# Altium PCB 400150.PcbDoc (part 4 of 4) (continued)
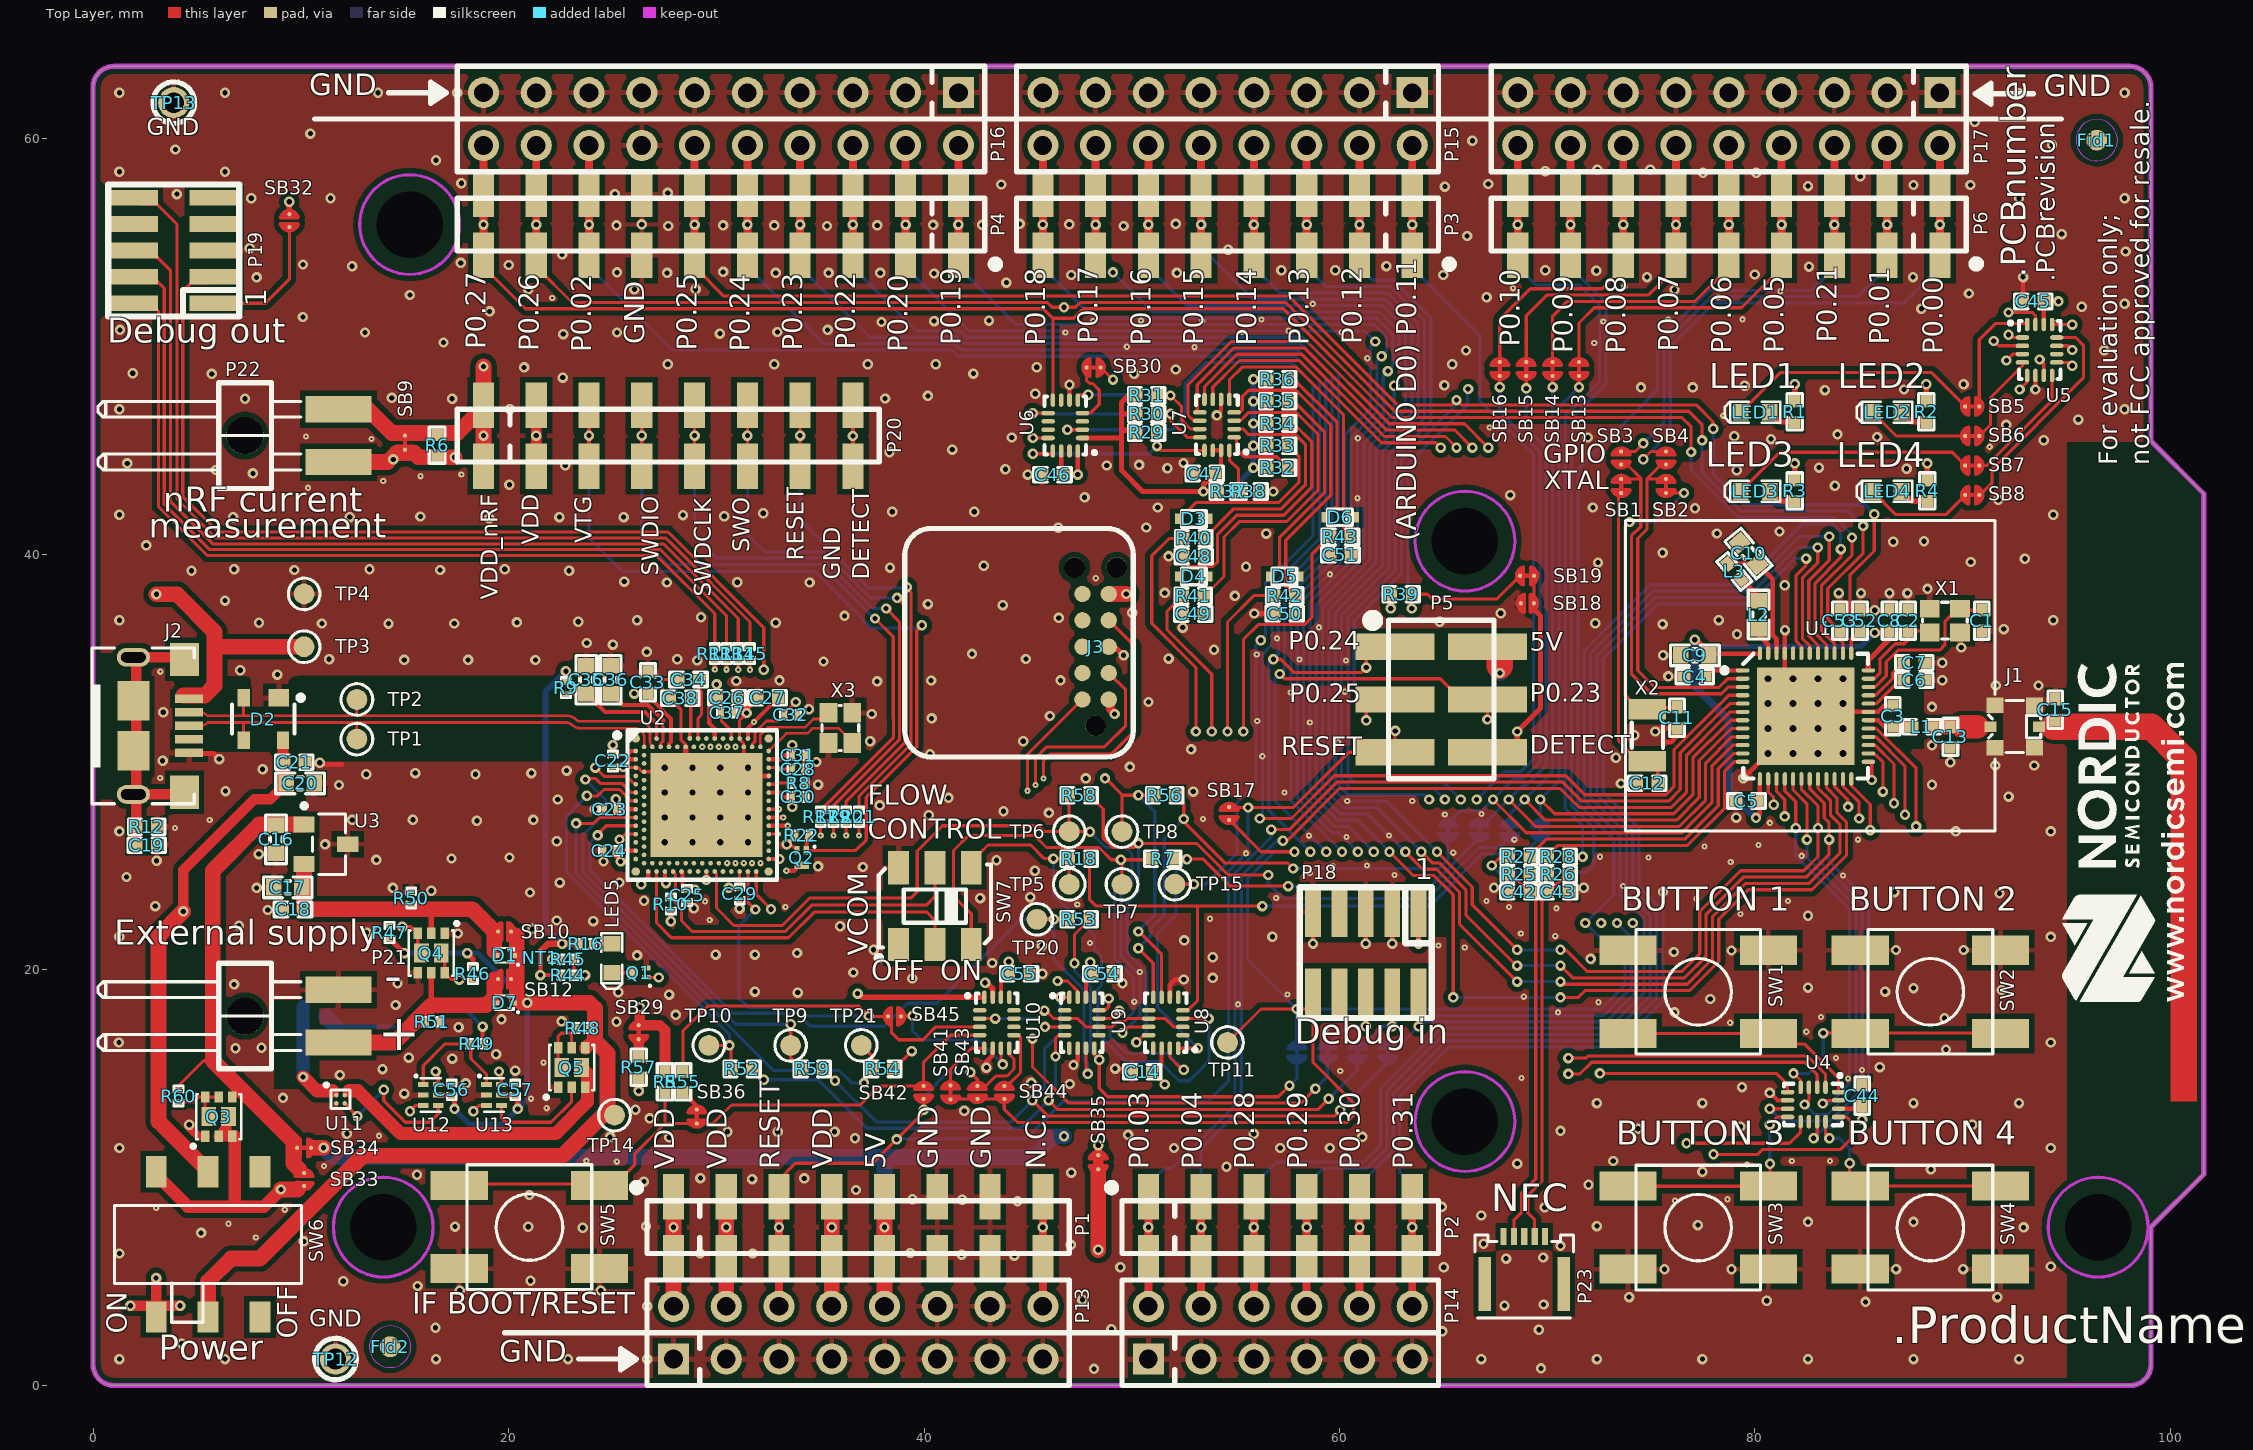
[diagram p0: Top Layer view]
## Nets (pads, with @x,y where several pads share a name; then routed paths per layer and width w, separated by ;. In a path a pad name is that pad's centre, name@x,y a point inside that pad or via, vN(x,y) a via of type N, cw(c..) or ccw(c..) an arc to the next point about the centre after c; other vN are vias at no path point) (continued)
  Top Layer w0.254: U1.36@85.457,34.439 85.457,34.899 86.473,35.915 C8.1@86.473,36.207 ; v1(85.762,36.225) 85.779,36.207 C8.1@86.473,36.207 ; C8.1@86.473,36.309 C8.1@86.473,36.207
  Top Layer w0.381: C9.1@77.78,35.126 C9.1@77.78,35.296
  Top Layer w0.762: P22.1@11.811,46.98 13.233,46.98 14.376,45.837 17.547,45.837 18.796,47.086 v1(18.796,45.71) P20.1@18.796,44.245 ; P20.1@18.796,47.175 v1(18.796,49.037)
  Mid-Layer 2 w1.27: v1@18.821,49.063 24.47,54.712 52.857,54.712 63.627,43.942 73.406,43.942 77.105,40.243 v1(77.105,35.888)
  Bottom Layer w0.254: v1(77.105,35.888) 77.429,35.564 85.101,35.564 v1(85.762,36.225)
  Bottom Layer w0.381: v1(77.105,35.888) 77.105,33.65 78.728,32.027 78.728,28.629 v1(80.047,27.309)
  Bottom Layer w0.762: P24.1@18.796,44.245 v1(18.796,45.71) P24.1@18.796,47.175
VEXT: C47.2 R29.2 R30.2 R31.2 R32.2 R33.2 R34.2 R35.2 R36.2 R37.2 U6.1 U7.14 U7.15 | length 25.8
  Top Layer w0.203: U7.14@53.9,45.003 U7.15@54.3,45.003 54.3,44.168 C47.2@54.018,43.885
  Top Layer w0.254: U6.1@47.628,45.597 49.503,45.597 ; R29.2@50.214,45.867 50.113,45.968 49.581,45.968 49.503,46.046 ; R30.2@50.214,46.756 49.503,46.756 ; R31.2@50.214,47.645 49.839,47.645 49.503,47.308 49.503,46.756 ; C47.2@54,43.903 53.449,43.352 v1(53.449,43.022) ; R37.2@54.143,43.022 v1(53.449,43.022) ; v1(55.853,44.161) R32.2@56.521,44.161 ; v1(55.853,45.228) R33.2@56.521,45.228 ; v1(55.853,46.295) R34.2@56.521,46.295 ; v1(55.853,47.361) R35.2@56.521,47.361 ; v1(55.853,48.428) R36.2@56.521,48.428 ; 49.503,45.597 49.503,46.046 ; 49.503,45.597 49.503,44.044 50.525,43.022 v1(53.449,43.022) ; 49.503,46.046 49.503,46.756
  Bottom Layer w0.254: v1(53.449,43.022) 54.714,43.022 v1(55.853,44.161) v1(55.853,45.228) v1(55.853,46.295) v1(55.853,47.361) v1(55.853,48.428)
VEXT_DETECT: Q4.3 R47.2 U12.6 U13.6 | length 16.6
  Top Layer w0.152: R47.2@14.275,22.078 v1(14.884,22.078) 15.306,22.078 Q4.3@15.631,21.753 ; Q4.3@15.631,21.748 15.631,20.978 Q4.3@15.806,20.803 ; v1(16.492,15.105) 16.619,14.978 U12.6@16.619,14.47 ; v1(19.54,15.105) 19.667,14.978 U13.6@19.667,14.47
  Mid-Layer 2 w0.152: v1(14.884,22.078) 16.77,20.193 17.907,20.193 18.089,20.011 18.089,18.538 16.492,16.941 v1(16.492,15.105) v1(19.54,15.105)
VIN: P1.8 P7.8 P13.16 | length 8.2
  Top Layer w0.381: P13.16@45.72,3.8 P1.8@45.72,6.145 v1(45.72,7.61) P1.8@45.72,9.075
  Bottom Layer w0.381: P7.8@45.72,6.145 v1(45.72,7.61) P7.8@45.72,9.075
VIO: P1.1 P1.2 P1.4 P7.1 P7.2 P7.4 P13.2 P13.4 P13.8 SB35.1 | length 54
  Top Layer w0.381: v1(35.56,7.61) P1.4@35.56,9.075
  Top Layer w0.762: P13.2@27.94,3.8 P1.1@27.94,6.145 P1.1@27.94,9.075 ; P13.4@30.48,3.8 v1(30.48,7.61) P1.2@30.48,9.075 ; P13.8@35.56,3.8 P1.4@35.56,9.075 ; v1(48.387,6.518) 48.387,10.226
  Mid-Layer 2 w0.762: v1(27.94,7.61) v1(30.48,7.61) 31.801,7.61 34.138,5.273 35.535,5.273 47.142,5.273 v1(48.387,6.518) ; 35.56,5.298 v1(35.56,7.61)
  Bottom Layer w0.762: P7.1@27.94,6.145 P7.1@27.94,9.075 ; P7.2@30.48,6.145 P7.2@30.48,9.075 ; P7.4@35.56,6.145 P7.4@35.56,9.075
VREG_DETECT: Q4.6 R46.2 U12.3 U13.3 | length 14.1
  Top Layer w0.152: v1(15.258,13.191) 15.538,13.47 U12.3@15.893,13.47 ; Q4.6@16.756,20.803 16.931,20.628 Q4.6@16.931,19.858 ; Q4.6@16.931,19.853 17.257,19.527 v1(17.628,19.527) R46.2@18.288,19.527 ; v1(18.306,13.191) 18.586,13.47 U13.3@18.941,13.47
  Mid-Layer 2 w0.152: v1(15.258,13.191) 15.893,13.826 15.893,14.097 ; v1(17.628,19.527) 17.628,18.727 15.893,16.993 15.893,14.097 ; v1(18.306,13.191) 17.4,14.097 15.893,14.097
VREG_IN: C16.2 Q3.4 R60.1 SB33.1 SB34.2 U3.1 | length 29.6
  Top Layer w0.152: R60.1@4.115,14.204 4.115,14.419 5.317,15.621 5.766,15.621
  Top Layer w0.381: Q3.4@6.695,13.874 7.087,14.265 7.087,14.3
  Top Layer w0.762: 5.842,24.846 7.986,26.99 ; 9.917,10.397 9.643,10.672 9.643,11.744 7.087,14.3 5.766,15.621 5.766,24.769 7.986,26.99 ; 7.986,26.99 U3.1@10.16,26.99 7.986,26.99
VREG_OUT: C17.2 C18.2 D1.2 Q4.2 R50.1 SB10.2 U3.2 | length 13.9
  Top Layer w0.254: Q4.2@16.281,21.753 16.281,22.901
  Top Layer w0.762: U3.2@10.16,25.09 10.16,22.934 10.178,22.916 16.266,22.916 ; 16.281,22.901 16.266,22.916 ; 19.312,20.891 19.312,21.861 18.257,22.916 16.266,22.916
VSUPPLY: C56.2 C57.2 D1.1 D7.1 Q5.4 R46.1 R47.1 R48.1 SB10.1 SB12.1 SW6.2 TP14.1 U12.5 U13.5 | length 57.4
  Top Layer w0.254: R47.1@14.275,21.508 v1(14.98,20.803) ; U12.5@16.619,13.97 17.241,13.97 C56.2@17.272,13.939 17.399,13.812 v1(17.399,13.304) ; v1(18.009,20.803) 18.288,20.523 R46.1@18.288,20.097 ; U13.5@19.667,13.97 20.289,13.97 C57.2@20.32,13.939 20.447,13.812 v1(20.447,13.304)
  Top Layer w0.635: 20.32,21.641 20.32,21.717 ; 20.637,18.415 v1@20.676,18.415 ; Q5.4@23.718,16.236 24.071,16.589
  Top Layer w0.762: SW6.2@5.537,3.28 5.537,4.993 6.638,6.093 8.024,6.093 12.979,11.049 22.606,11.049 24.765,13.208 24.765,15.977 24.155,16.586 24.155,18.136 23.876,18.415 v1(20.904,18.415) v1@20.676,18.415 ; 20.396,21.641 20.396,19.548 20.396,18.655 20.637,18.415
  Bottom Layer w0.254: v1(14.98,20.803) v1(18.009,20.803) 18.517,20.803 v1(20.904,18.415) 20.904,13.761 v1(20.447,13.304) 19.716,12.573 18.098,12.573 v1@17.399,13.272
XC1: C1.1 U1.34 X1.1 | length 8
  Top Layer w0.152: U1.34@85.46,33.611 85.784,33.611 86.318,34.146 86.318,34.814 86.89,35.386 88.886,35.386 89.14,35.64 89.14,36.758 89.691,37.309 C1.1@90.918,37.309
XC2: C2.1 U1.35 X1.3 | length 4.7
  Top Layer w0.152: U1.35@85.46,34.011 85.75,34.011 86.013,34.275 86.013,34.944 86.761,35.691 87.185,35.691 87.362,35.869 C2.1@87.362,36.301 ; C2.1@87.311,36.309 88.268,36.309 X1.3@88.468,36.109
XL1: SB2.2 SB4.1 U1.2 | length 17.1
  Top Layer w0.152: SB2.2@75.717,43.627 74.813,43.627 74.803,43.637 ; SB4.1@75.717,44.323 75.489,44.323 74.803,43.637 ; U1.2@79.41,34.011 78.683,34.011 78.26,33.588 75.175,33.588 74.358,34.405 74.358,40.759 74.803,41.204 74.803,43.637
XL2: SB1.2 SB3.1 U1.3 | length 17.6
  Top Layer w0.152: SB1.2@73.558,43.627 74.463,43.627 ; SB3.1@73.558,44.323 73.838,44.323 74.498,43.663 74.498,41.331 74.053,40.885 74.053,34.253 75.022,33.283 78.386,33.283 78.714,33.611 U1.3@79.41,33.611
pads on no net: Fid1.0 Fid2.0 J2.4 J2.6@1.944,28.44 J2.6@1.944,35.04 J3.0 J3.6 J3.7 J3.8 J3.9 P18.7 P18.8 P19.7 P19.8 P19.9 P21.0 P22.0 P23.0 P23.1 P23.3 P23.5 SW6.1 SW6.4 SW7.1 U1.44 U2. U2.A1 U2.A17 U2.A21 U2.A31 U2.AB2 U2.AD2 U2.AE1 U2.AE31 U2.AF2 U2.AG31 U2.AH2 U2.AJ1 U2.AK2 U2.AK4 U2.AK6 U2.AK8 U2.AK10 U2.AK12 U2.AK14 U2.AK16 U2.AK18 U2.AK20 U2.AL1 U2.AL13 U2.AL15 U2.AL21 U2.AL23 U2.AL31 U2.B10 U2.B14 U2.D2 U2.F2 U2.J1 U2.K2 U2.M2 U2.P2 U2.R31 U2.T2 U2.V2 U2.Y2 U4.10 U5.10 U6.3 U6.7 U6.10 U6.11 U6.15 U8.1 U8.5 U8.9 U8.13 U9.1 U9.5 U9.9 U9.13 U10.1 U10.10 U10.11 U10.12 U10.13

## Polygon pours and split planes (outlines as drawn)
VDD on Mid-Layer 2 "Mid_Layer_2-VDD" (solid, remove dead copper, pour order 19): 0,1.006 0,62.499 cw(c1.003,62.487) 1.016,63.49 98.044,63.49 cw(c98.044,62.474) 99.06,62.474 99.06,45.456 101.6,42.916 101.6,10.15 99.06,7.61 99.06,1.006 cw(c98.057,0.993) 98.069,-0.01 1.016,-0.01 cw(c1.016,1.006)
VDD_IMCU on Mid-Layer 2 "Mid_Layer_2-VDD_IMCU" (solid, remove dead copper, pour order 12): 21.435,35.772 21.435,17.874 37.153,17.874 37.153,35.772
GND on Bottom Layer "Bottom_Layer-GND" (solid, remove dead copper, pour order 7): 0,1.006 0,62.499 cw(c1.003,62.487) 1.016,63.49 98.044,63.49 cw(c98.044,62.474) 99.06,62.474 99.06,45.456 101.6,42.916 101.6,10.15 99.06,7.61 99.06,1.006 cw(c98.057,0.993) 98.069,-0.01 1.016,-0.01 cw(c1.016,1.006)
GND on Mid-Layer 1 "Mid_Layer_1-GND" (solid, remove dead copper, pour order 10): 0,1.006 0,62.499 cw(c1.003,62.487) 1.016,63.49 98.044,63.49 cw(c98.044,62.474) 99.06,62.474 99.06,45.456 101.6,42.916 101.6,10.15 99.06,7.61 99.06,1.006 cw(c98.057,0.993) 98.069,-0.01 1.016,-0.01 cw(c1.016,1.006)
GND on Top Layer "Top_Layer-GND" (solid, remove dead copper, pour order 18): 0,1.006 0,62.499 cw(c1.003,62.487) 1.016,63.49 98.044,63.49 cw(c98.044,62.474) 99.06,62.474 99.06,45.456 101.6,42.916 101.6,10.15 99.06,7.61 99.06,1.006 cw(c98.057,0.993) 98.069,-0.01 1.016,-0.01 cw(c1.016,1.006)

## Keep-outs
Keep-Out Layer:
  circle w0.152: c66.04,12.69 r2.4
  circle w0.152: c15.24,55.87 r2.4
  circle w0.152: c66.04,40.63 r2.4
  circle w0.152: c96.52,7.61 r2.4
  circle w0.152: c13.97,7.61 r2.4
  lines w0.254: 98.069,-0.01 ccw(c98.057,0.993) 99.06,1.006 99.06,7.61 101.6,10.15 101.6,42.916 99.06,45.456 99.06,62.474 ccw(c98.044,62.474) 98.044,63.49 1.016,63.49 ccw(c1.003,62.487) 0,62.499 0,1.006 ccw(c1.016,1.006) 1.016,-0.01 98.095,-0.01

## Other copper
Top Layer:
  rectangle net ANT: 100,13.655 101.27,14.417
  pour cut-out: 9.86,34.145 29.051,34.145 29.051,30.002 11.169,30.002 cw(c11.169,30.93) 10.513,30.274 ccw(c10.035,29.798) 10.034,30.472 5.422,30.472 5.422,34.148 7.355,34.148 7.411,34.138 7.465,34.12 7.51,34.094 7.553,34.059 7.584,34.013 7.602,33.97 7.607,33.924 7.607,33.877 7.607,32.675 9.354,32.675 9.354,33.64 cw(c9.86,33.64)
  pour cut-out: 3.546,9.075 9.07,9.075 9.07,11.552 3.546,11.552
  pour cut-out: 65.192,21.773 63.385,21.773 63.385,21.554 65.192,21.554
  pour cut-out: 55.711,18.072 53.905,18.072 53.905,17.853 55.711,17.853
  pour cut-out: 28.06,13.884 26.253,13.884 26.253,13.665 28.06,13.665
  pour cut-out: 37.278,10.971 37.278,13.413 37.059,13.413 37.059,10.971
  pour cut-out: 46.39,16.042 46.39,14.235 46.609,14.235 46.609,16.042
  pour cut-out: 46.123,19.349 44.316,19.349 44.316,19.13 46.123,19.13
  pour cut-out: 10.866,25.24 10.866,27.047 10.647,27.047 10.647,25.24
  pour cut-out: 10.254,27.098 10.254,28.905 10.035,28.905 10.035,27.098
  pour cut-out: 38.604,20.53 38.604,20.159 42.436,20.159 42.436,20.53
  pour cut-out: 60.528,30.927 68.073,30.927 68.071,32.705 60.528,32.705
  pour cut-out: 9.449,33.492 11.684,33.492 11.684,31.791 9.449,31.791
  pour cut-out: 8.687,18.557 10.922,18.557 10.922,14.239 8.687,14.239
  pour cut-out: -0.229,28.194 2.824,28.194 2.818,35.27 -0.228,35.27
  pour cut-out: 88.15,30.611 85.407,30.611 85.407,33.507 88.15,33.507
  pour cut-out: 57.506,40.665 59.093,42.253 59.093,40.589 58.572,40.069 58.572,39.182 57.506,39.182
Mid-Layer 1:
  pour cut-out: 76.487,45.325 72.943,45.325 72.943,42.578 76.487,42.578
  pour cut-out: 39.193,18.396 37.955,18.396 37.955,17.075 39.193,17.075
  pour cut-out: 26.878,17.601 25.64,17.601 25.64,16.281 26.878,16.281
  pour cut-out: 20.454,22.495 19.216,22.495 19.216,21.174 20.454,21.174
  pour cut-out: 20.454,20.212 19.216,20.212 19.216,18.891 20.454,18.891
  pour cut-out: 10.078,55.455 8.84,55.455 8.84,56.775 10.078,56.775
  pour cut-out: 15.632,44.738 14.393,44.738 14.393,46.059 15.632,46.059
  pour cut-out: 48.781,48.396 47.542,48.396 47.542,49.717 48.781,49.717
  pour cut-out: 69.658,37.067 68.42,37.067 68.42,39.683 69.658,39.683
  pour cut-out: 67.029,48.307 67.029,49.545 72.247,49.545 72.247,48.307
  pour cut-out: 89.839,47.741 91.077,47.741 91.077,42.129 89.839,42.129
  pour cut-out: 47.77,11.327 49.008,11.327 49.008,10.006 47.77,10.006
  pour cut-out: 39.374,14.7 44.475,14.7 44.475,13.513 39.374,13.513
  pour cut-out: 28.432,13.564 29.67,13.564 29.67,12.243 28.432,12.243
  pour cut-out: 95.069,30.052 86.027,30.052 86.027,33.354 95.069,33.354
Mid-Layer 2:
  pour cut-out: 43.143,14.899 49.086,14.899 49.086,13.46 43.143,13.46
  pour cut-out: 45.944,19.855 51.887,19.855 51.887,18.417 45.944,18.417
  pour cut-out: 56.997,51.571 62.941,51.571 62.941,50.133 56.997,50.133
  pour cut-out: 95.069,30.052 86.027,30.052 86.027,33.354 95.069,33.354
Bottom Layer:
  pour cut-out: 24.313,48.47 25.939,48.47 25.939,48.187 24.317,48.187
  pour cut-out: 26.779,48.438 28.405,48.438 28.405,48.155 26.782,48.155
  pour cut-out: 29.44,48.46 31.066,48.46 31.066,48.177 29.444,48.177
  pour cut-out: 31.985,48.477 33.611,48.477 33.611,48.193 31.989,48.193
  pour cut-out: 87.065,53.899 87.065,52.272 86.782,52.272 86.782,53.895
  pour cut-out: 85.941,57.446 84.314,57.446 84.314,57.729 85.937,57.729
  pour cut-out: 58.652,43.766 56.176,43.766 56.176,44.049 58.649,44.049
  pour cut-out: 26.131,40.513 24.505,40.513 24.505,40.796 26.127,40.796
  pour cut-out: 64.002,9.916 64.002,11.542 64.285,11.542 64.285,9.919
  pour cut-out: 67.975,14.347 67.975,15.973 68.258,15.973 68.258,14.351
  pour cut-out: 67.151,43.079 67.151,44.705 67.434,44.705 67.434,43.083
  pour cut-out: 71.679,24.593 73.305,24.593 73.305,24.31 71.683,24.31
  pour cut-out: 49.955,15.4 49.955,13.774 49.671,13.774 49.671,15.396
  pour cut-out: 52.921,13.396 52.921,11.77 52.638,11.77 52.638,13.392
  pour cut-out: 63.093,4.566 61.467,4.566 61.467,4.849 63.09,4.849
  pour cut-out: 60.359,4.606 58.732,4.606 58.732,4.889 60.355,4.889
  pour cut-out: 58.012,4.637 56.386,4.637 56.386,4.92 58.008,4.92
  pour cut-out: 52.753,4.637 51.127,4.637 51.127,4.92 52.749,4.92
  pour cut-out: 69.022,44.693 67.396,44.693 67.396,44.976 69.018,44.976
  pour cut-out: 48.446,52.803 46.819,52.803 46.819,53.086 48.442,53.086
  pour cut-out: 53.479,52.879 51.853,52.879 51.853,53.162 53.475,53.162
  pour cut-out: 74.219,44.721 72.592,44.721 72.592,45.005 74.215,45.005
  pour cut-out: 47.752,15.775 46.126,15.775 46.126,16.058 47.748,16.058
  pour cut-out: 54.758,27.284 52.892,27.284 52.892,27.567 54.754,27.567
  pour cut-out: 44.974,45.394 44.974,47.02 45.258,47.02 45.258,45.398
  pour cut-out: 64.717,50.626 66.343,50.626 66.343,50.343 64.721,50.343
  pour cut-out: 68.224,48.296 69.85,48.296 69.85,48.013 68.227,48.013
  pour cut-out: 46.783,26.766 46.783,25.14 46.499,25.14 46.499,26.762
  pour cut-out: 48.114,26.483 46.488,26.483 46.488,26.766 48.11,26.766
  pour cut-out: 32.112,14.762 30.486,14.762 30.486,15.045 32.109,15.045
  pour cut-out: 30.462,14.758 30.462,16.384 30.745,16.384 30.745,14.762
  pour cut-out: 42.161,15.292 42.161,16.919 42.444,16.919 42.444,15.296
  pour cut-out: 55.566,13.943 58.665,13.943 58.665,13.66 55.57,13.66
  pour cut-out: 63.354,36.314 66.453,36.314 66.453,36.031 63.358,36.031
Multi-Layer:
  pour cut-out: 94.995,-0.01 101.86,-0.01 101.823,45.405 95,45.405

## Silkscreen, mask and mechanical layers (free items; w line width, h text height)
Top Overlay:
  drawing of 84 lines, arcs and shapes, not listed
  text "GND" at 10.404,61.732 h1.78
  text "GND" at 93.894,61.681 h1.78
  text "GND" at 2.577,59.889 h1.4
  text ".PCBnumber" at 93.436,53.301 h2.03 r90
  text ".PCBrevision" at 94.748,53.117 h1.52 r90
  text "P0.21" at 84.265,50.192 h1.65 r90
  text "P0.17" at 48.705,50.137 h1.65 r90
  text "GND" at 26.864,50.116 h1.65 r90
  text "P0.12" at 61.405,50.102 h1.65 r90
  text "P0.01" at 86.805,50.083 h1.65 r90
  text "P0.15" at 53.785,50.057 h1.65 r90
  text "P0.13" at 58.865,50.073 h1.65 r90
  text "P0.19" at 42.101,50.05 h1.65 r90
  text "P0.18" at 46.165,50.04 h1.65 r90
  text "P0.16" at 51.245,50.031 h1.65 r90
  text "P0.14" at 56.325,50.025 h1.65 r90
  text "P0.10" at 69.025,49.996 h1.65 r90
  text "P0.27" at 19.241,49.869 h1.65 r90
  text "P0.22" at 37.021,49.833 h1.65 r90
  text "P0.23" at 34.481,49.805 h1.65 r90
  text "P0.25" at 29.401,49.788 h1.65 r90
  text "Debug out" at 0.683,49.773 h2.03
  text "P0.26" at 21.781,49.763 h1.65 r90
  text "P0.24" at 31.941,49.757 h1.65 r90
  text "P0.07" at 76.645,49.76 h1.65 r90
  text "P0.02" at 24.321,49.724 h1.65 r90
  text "P0.20" at 39.561,49.727 h1.65 r90
  text "P0.09" at 71.565,49.673 h1.65 r90
  text "P0.05" at 81.725,49.679 h1.65 r90
  text "P0.08" at 74.105,49.663 h1.65 r90
  text "P0.06" at 79.185,49.654 h1.65 r90
  text "P0.00" at 89.37,49.619 h1.65 r90
  text "LED1" at 77.787,47.575 h2.03
  text "LED2" at 83.972,47.575 h2.03
  text "For evaluation only; / not FCC approved for resale." at 99.28,44.284 h1.52 r90
  text "GPIO" at 69.8,44.086 h1.52
  text "LED3" at 77.636,43.792 h2.03
  text "LED4" at 83.945,43.79 h2.03
  text "XTAL" at 69.857,42.817 h1.52
  text "nRF current" at 3.368,41.646 h2.03
  text "(ARDUINO D0) P0.11" at 64.029,40.635 h1.65 r90
  text "VTG" at 24.292,40.538 h1.4 r90
  text "VDD" at 21.752,40.46 h1.4 r90
  text "measurement" at 2.688,40.384 h2.03
  text "SWO" at 31.912,40.09 h1.4 r90
  text "RESET" at 34.503,39.698 h1.4 r90
  text "SWDIO" at 27.508,38.956 h1.4 r90
  text "GND / DETECT" at 37.663,38.778 h1.4 r90
  text "SWDCLK" at 30.048,37.966 h1.4 r90
  text "VDD_nRF" at 19.761,37.815 h1.4 r90
  text "P0.24" at 57.541,35.092 h1.52
  text "5V" at 69.147,35.04 h1.52
  text "P0.23" at 69.147,32.578 h1.52
  text "P0.25" at 57.57,32.552 h1.52
  text "DETECT" at 69.147,30.081 h1.52
  text "RESET" at 57.205,30.009 h1.52
  text "FLOW  / CONTROL" at 37.291,25.962 h1.65
  text "BUTTON 1" at 73.555,22.45 h2
  text "BUTTON 2" at 84.514,22.45 h2
  text "External supply" at 1.018,20.802 h2.03
  text "VCOM" at 37.638,20.684 h1.65 r90
  text "OFF" at 37.455,19.151 h1.65
  text "ON" at 40.789,19.151 h1.65
  text "-" at 14.008,18.346 h3
  text "Debug in" at 57.839,16.026 h2.03
  text "+" at 13.737,15.556 h3
  text "BUTTON 4" at 84.467,11.2 h2
  text "BUTTON 3" at 73.321,11.188 h2
  text "VDD" at 28.305,10.408 h1.65 r90
  text "VDD" at 30.845,10.408 h1.65 r90
  text "RESET" at 33.386,10.408 h1.65 r90
  text "VDD" at 35.925,10.408 h1.65 r90
  text "5V" at 38.464,10.408 h1.65 r90
  text "GND" at 41.006,10.407 h1.65 r90
  text "GND" at 43.546,10.407 h1.65 r90
  text "N.C." at 46.193,10.408 h1.65 r90
  text "P0.03" at 51.162,10.408 h1.65 r90
  text "P0.04" at 53.702,10.408 h1.65 r90
  text "P0.28" at 56.242,10.408 h1.65 r90
  text "P0.29" at 58.782,10.408 h1.65 r90
  text "P0.30" at 61.322,10.408 h1.65 r90
  text "P0.31" at 63.862,10.408 h1.65 r90
  text "NFC" at 67.302,7.925 h2.29
  text "IF BOOT/RESET" at 15.355,3.091 h1.78
  text "GND" at 10.403,2.525 h1.4
  text "ON" at 1.97,2.483 h1.65 r90
  text "OFF" at 10.157,2.233 h1.65 r90
  text ".ProductName" at 86.584,1.44 h3
  text "Power" at 3.164,0.823 h2.03
  text "GND" at 19.548,0.772 h1.78
Bottom Overlay:
  drawing of 3677 lines, arcs and shapes, not listed
  text "J-Link" at 9.242,60.965 h1.45 r90
  text "www.segger.com" at 10.393,60.884 h1.68 r90
  text "TM" at 8.821,57.495 h0.94 r90
  text "S" at 7.383,57.282 h1.35 r90
  text "E" at 7.383,56.392 h1.35 r90
  text "Technology" at 9.242,56.213 h1.45 r90
  text "G" at 7.383,55.608 h1.35 r90
  text "G" at 7.383,54.618 h1.35 r90
  text "E" at 7.383,53.594 h1.35 r90
  text "P0.27 / (SCL)" at 19.843,53.063 h1.3 r90
  text "P0.26 / (SDA)" at 22.383,53.063 h1.3 r90
  text "P0.02 / (AREF)" at 24.923,53.063 h1.3 r90
  text "GND" at 26.807,53.063 h1.3 r90
  text "P0.25 / (D13)" at 30.003,53.063 h1.3 r90
  text "P0.24 / (D12)" at 32.543,53.063 h1.3 r90
  text "P0.23 / (D11)" at 35.083,53.063 h1.3 r90
  text "P0.22 / (D10)" at 37.623,53.063 h1.3 r90
  text "P0.20 / (D9)" at 40.163,53.063 h1.3 r90
  text "P0.19 / (D8)" at 42.703,53.063 h1.3 r90
  text "P0.18 / (D7)" at 46.767,53.063 h1.3 r90
  text "P0.17 / (D6)" at 49.307,53.063 h1.3 r90
  text "P0.16 / (D5)" at 51.847,53.063 h1.3 r90
  text "P0.15 / (D4)" at 54.387,53.063 h1.3 r90
  text "P0.14 / (D3)" at 56.927,53.063 h1.3 r90
  text "P0.13 / (D2)" at 59.467,53.063 h1.3 r90
  text "P0.12 / (D1)" at 62.007,53.063 h1.3 r90
  text "P0.11 / (ARDUINO D0)" at 64.547,53.063 h1.3 r90
  text "P0.10" at 68.962,53.062 h1.3 r90
  text "P0.09" at 71.502,53.062 h1.3 r90
  text "P0.08" at 74.042,53.062 h1.3 r90
  text "P0.07" at 76.582,53.062 h1.3 r90
  text "P0.06" at 79.122,53.062 h1.3 r90
  text "P0.05" at 81.662,53.062 h1.3 r90
  text "P0.21" at 84.202,53.062 h1.3 r90
  text "P0.01" at 86.742,53.062 h1.3 r90
  text "P0.00" at 89.282,53.062 h1.3 r90
  text "R" at 7.383,52.758 h1.35 r90
  text "GPIO" at 72.135,45.59 h2.2 r90
  text "P0.20" at 93.407,45.355 h1.91 r90
  text "P0.14" at 77.253,45.183 h1.91 r90
  text "P0.16" at 82.638,45.179 h1.91 r90
  text "P0.13" at 74.561,45.155 h1.91 r90
  text "P0.15" at 79.945,45.164 h1.91 r90
  text "P0.18" at 88.023,45.174 h1.91 r90
  text "P0.19" at 90.715,45.168 h1.91 r90
  text "P0.17" at 85.33,45.118 h1.91 r90
  text "P0.21" at 96.1,45.086 h1.91 r90
  text "GPIO" at 24.169,42.072 h2.2 r90
  text "P0.00" at 27.737,41.807 h1.82 r90
  text "P0.05" at 36.731,41.773 h1.82 r90
  text "P0.06" at 39.301,41.787 h1.82 r90
  text "P0.08" at 44.44,41.782 h1.82 r90
  text "P0.09" at 47.834,41.777 h1.82 r90
  text "P0.07" at 41.87,41.728 h1.82 r90
  text "P0.10" at 52.197,41.599 h1.82 r90
  text "P0.01" at 32.877,41.551 h1.82 r90
  text "BUTTON 4" at 82.65,40.203 h1.91 r90
  text "BUTTON 3" at 79.958,40.175 h1.91 r90
  text "BUTTON 2" at 77.265,40.159 h1.91 r90
  text "BUTTON 1" at 74.572,39.952 h1.91 r90
  text "Function" at 72.131,39.844 h2.2 r90
  text "RESET" at 96.079,38.564 h1.91 r90
  text "LED 4" at 93.409,38.415 h1.91 r90
  text "LED 2" at 88.024,38.371 h1.91 r90
  text "LED 3" at 90.715,38.387 h1.91 r90
  text "LED 1" at 85.332,38.164 h1.91 r90
  text "Function" at 24.165,36.634 h2.2 r90
  text "NFC2" at 52.226,35.017 h1.82 r90
  text "NFC1" at 47.862,34.819 h1.82 r90
  text "TXD" at 39.304,34.643 h1.82 r90
  text "RXD" at 44.443,34.654 h1.82 r90
  text "CTS" at 41.875,34.506 h1.82 r90
  text "XL2" at 32.878,34.479 h1.82 r90
  text "RTS" at 36.736,34.416 h1.82 r90
  text "XL1" at 27.739,34.281 h1.82 r90
  text "SB17" at 96.105,31.435 h1.91 r90
  text "SB5" at 85.335,31.214 h1.91 r90
  text "SB6" at 88.027,31.229 h1.91 r90
  text "SB8" at 93.412,31.224 h1.91 r90
  text "SB7" at 90.72,31.168 h1.91 r90
  text "Short" at 72.136,30.83 h2.2 r90
  text "SB14/23" at 39.285,28.667 h1.82 r90
  text "SB15/24" at 41.854,28.675 h1.82 r90
  text "SB16/25" at 44.424,28.668 h1.82 r90
  text "SB13/22" at 36.715,28.628 h1.82 r90
  text "SB4" at 29.027,28.296 h1.82 r90
  text "SB3" at 34.166,28.269 h1.82 r90
  text "SB2" at 26.457,28.253 h1.82 r90
  text "SB1" at 31.596,28.056 h1.82 r90
  text "Short" at 24.17,27.974 h2.2 r90
  text "GPIO" at 95.656,24.818 h1.78 r90
  text "*" at 76.643,24.742 h2.54 r90
  text "*" at 92.34,24.742 h2.54 r90
  text "HW" at 72.134,22.494 h2.2 r90
  text "GPIO" at 31.913,22.064 h1.7 r90
  text "GPIO" at 43.889,22.064 h1.7 r90
  text "GPIO" at 53.319,22.079 h1.7 r90
  text "IF MCU" at 36.938,21.495 h1.7 r90
  text "HW" at 24.168,19.987 h2.2 r90
  text "PIN" at 46.593,19.97 h1.7 r90
  text "VDD" at 86.233,19.941 h1.78 r90
  text "PIN" at 95.662,19.177 h1.78 r90
  text "SB1x" at 41.665,19.058 h1.21 r90
  text "SB2x" at 40.065,18.84 h1.21 r90
  text "NFC" at 49.526,17.158 h1.7 r90
  text "PIN" at 27.611,16.755 h1.7 r90
  text "PIN" at 43.889,16.755 h1.7 r90
  text "I/O EXPANDER" at 72.111,16.351 h2.2 r90
  text "(" at 75.641,16.157 h3.05 r90
  text "PIN" at 85.7,16.163 h1.78 r90
  text "P0.04 / (A1)" at 54.551,13.582 h1.3 r90
  text "P0.03 / (A0)" at 52.011,13.538 h1.3 r90
  text "P0.30 / (A4)" at 62.171,13.528 h1.3 r90
  text "P0.28 / (A2)" at 57.091,13.469 h1.3 r90
  text "P0.29 / (A3)" at 59.631,13.46 h1.3 r90
  text "RESET" at 33.411,13.355 h1.3 r90
  text "P0.31 / (A5)" at 64.692,13.105 h1.3 r90
  text ")" at 75.641,13.109 h3.05 r90
  text "GND" at 41.031,12.786 h1.3 r90
  text "GND" at 43.571,12.786 h1.3 r90
  text "nRF" at 91.008,12.717 h2.03 r90
  text "VDD" at 28.331,12.646 h1.3 r90
  text "VDD" at 30.871,12.646 h1.3 r90
  text "VDD" at 35.951,12.646 h1.3 r90
  text "N.C." at 46.111,12.383 h1.3 r90
  text "5V" at 38.482,11.724 h1.3 r90
  text "*" at 75.133,11.661 h2.54 r90
  text "EXP" at 84.531,11.087 h1.52 r90
  text "(" at 75.641,10.061 h3.05 r90
  text "I2C" at 87.325,9.299 h1.78 r90
  text "DETECT" at 80.721,8.537 h1.78 r90
  text ")" at 75.641,5.997 h3.05 r90
Mechanical 1:
  the board outline again, w0.254
Top Assembly:
  circle w0.1: c66.04,40.64 r1.6
  circle w0.1: c66.04,12.7 r1.6
  circle w0.1: c15.24,55.88 r1.6
  circle w0.1: c96.52,7.62 r1.6
  circle w0.1: c13.97,7.62 r1.6
Top Impedance (Mech11):
  lines w0.15: 25.917,31.615 26.134,31.615 cw(c26.134,31.24) 26.4,31.505 cw(c26.099,31.204) 26.524,31.204 26.524,31.176 ; 25.917,31.973 26.106,31.973 cw(c26.106,31.11) 26.716,31.72 cw(c26.491,31.495) 26.809,31.495 26.809,31.007 ccw(c27.202,31.007) 26.924,30.73 26.924,30.75 ; 26.524,30.73 26.524,31.084 ; 26.524,31.176 ccw(c26.674,31.177) 26.525,31.165 cw(c26.124,31.13) 26.525,31.095 ccw(c26.674,31.083) 26.524,31.084 ; 26.524,31.084 26.524,31.084
  lines w0.165: 4.619,31.74 cw(c4.902,31.456) 4.902,31.857 5.259,31.857 ccw(c5.259,31.906) 5.294,31.872 cw(c5.328,31.837) 5.328,31.886 7.244,31.886 7.723,31.886 7.728,31.891 12.7,31.891 23.126,31.891 cw(c23.126,31.609) 23.326,31.808 23.327,31.807 ccw(c23.791,32.271) 23.791,31.615 25.917,31.615 ; 4.619,32.39 ccw(c4.902,32.674) 4.902,32.272 5.259,32.272 cw(c5.259,32.224) 5.294,32.258 ccw(c5.328,32.292) 5.328,32.244 7.244,32.244 7.723,32.244 7.728,32.249 12.7,32.249 23.128,32.249 cw(c23.128,31.613) 23.578,32.063 23.579,32.062 ccw(c23.792,32.275) 23.792,31.973 25.917,31.973
  text "90ohm differential impedance" at 4.574,33.51 h2
Top Placement:
  lines w0.102: 36.982,16.358 38.514,16.358
Top Via Capping:
  text "Capped vias" at 25.923,31.904 h2

## Dimensions
98.044,62.474 to 100.319,64.749 on Mechanical 3
98.069,-0.01 to 15.24,55.87 on Mechanical 3
98.069,-0.01 to 66.04,40.63 on Mechanical 3
98.069,-0.01 to 66.04,12.69 on Mechanical 3
98.069,-0.01 to 96.52,7.61 on Mechanical 3
98.069,-0.01 to 98.044,63.49 on Mechanical 3
0,1.006 to 96.52,7.61 on Mechanical 3
0,1.006 to 66.04,12.69 on Mechanical 3
0,1.006 to 15.24,55.87 on Mechanical 3
0,1.006 to 13.97,7.61 on Mechanical 3
0,1.006 to 101.6,10.15 on Mechanical 3
0,1.006 to 99.06,7.61 on Mechanical 3

## Text inside footprints (layer, text, board x,y; h text height)
Bat1: Bottom Overlay "+" at 13.303,16.291 h1.78 r270
P18: Top Overlay "1" at 63.614,24.356 h1.02
P19: Top Overlay "1" at 8.336,51.925 h1.02 r90
U2: Top Component Info "B16" at 29.226,30.891 h0.08; Top Component Info "B26" at 31.226,30.891 h0.08; Top Component Info "AK16" at 29.186,24.891 h0.08; Top Component Info "AK26" at 31.186,24.891 h0.08; Top Component Info "B6" at 27.255,30.891 h0.08; Top Component Info "AK6" at 27.216,24.891 h0.08; Top Component Info "T2" at 26.196,27.89 h0.08; Top Component Info "F2" at 26.196,29.89 h0.08; Top Component Info "AF2" at 26.116,25.89 h0.08; Top Component Info "B28" at 31.626,30.891 h0.08; Top Component Info "A27" at 31.422,31.291 h0.08; Top Component Info "B30" at 32.026,30.891 h0.08; Top Component Info "C31" at 32.647,30.49 h0.08; Top Component Info "E31" at 32.647,30.09 h0.08; Top Component Info "N31" at 32.647,28.49 h0.08; Top Component Info "R31" at 32.647,28.09 h0.08; Top Component Info "L31" at 32.647,28.89 h0.08; Top Component Info "G31" at 32.647,29.69 h0.08; Top Component Info "J31" at 32.647,29.29 h0.08; Top Component Info "AE31" at 32.647,26.09 h0.08; Top Component Info "AC31" at 32.647,26.49 h0.08; Top Component Info "W31" at 32.647,27.29 h0.08; Top Component Info "AA31" at 32.647,26.89 h0.08; Top Component Info "U31" at 32.647,27.69 h0.08; Top Component Info "AK30" at 31.986,24.891 h0.08; Top Component Info "AJ31" at 32.647,25.29 h0.08; Top Component Info "AG31" at 32.647,25.69 h0.08; Top Component Info "AK28" at 31.586,24.891 h0.08; Top Component Info "AL27" at 31.38,24.491 h0.08; Top Component Info "AL29" at 31.78,24.491 h0.08; Top Component Info "B22" at 30.426,30.891 h0.08; Top Component Info "A19" at 29.822,31.291 h0.08; Top Component Info "A17" at 29.422,31.291 h0.08; Top Component Info "B18" at 29.626,30.891 h0.08; Top Component Info "A21" at 30.222,31.29 h0.08; Top Component Info "B20" at 30.026,30.891 h0.08; Top Component Info "A25" at 31.022,31.291 h0.08; Top Component Info "A23" at 30.622,31.29 h0.08; Top Component Info "B24" at 30.826,30.891 h0.08; Top Component Info "AK22" at 30.386,24.891 h0.08; Top Component Info "AL19" at 29.78,24.491 h0.08; Top Component Info "AL17" at 29.38,24.491 h0.08; Top Component Info "AK18" at 29.586,24.891 h0.08; Top Component Info "AL21" at 30.18,24.49 h0.08; Top Component Info "AK20" at 29.986,24.89 h0.08; Top Component Info "AL25" at 30.98,24.491 h0.08; Top Component Info "AL23" at 30.58,24.49 h0.08; Top Component Info "AK24" at 30.786,24.891 h0.08; Top Component Info "A15" at 29.022,31.291 h0.08; Top Component Info "B8" at 27.655,30.891 h0.08; Top Component Info "B12" at 28.426,30.891 h0.08; Top Component Info "B10" at 28.026,30.891 h0.08; Top Component Info "A13" at 28.622,31.29 h0.08; Top Component Info "B14" at 28.826,30.891 h0.08; Top Component Info "AL15" at 28.98,24.491 h0.08; Top Component Info "AL9" at 27.78,24.491 h0.08; Top Component Info "AL7" at 27.409,24.491 h0.08; Top Component Info "AK8" at 27.616,24.891 h0.08; Top Component Info "AK12" at 28.386,24.891 h0.08; Top Component Info "AL11" at 28.18,24.49 h0.08; Top Component Info "AK10" at 27.986,24.89 h0.08; Top Component Info "AL13" at 28.58,24.49 h0.08; Top Component Info "AK14" at 28.786,24.891 h0.08; Top Component Info "B2" at 26.471,30.877 h0.08; Top Component Info "A5" at 27.052,31.291 h0.08; Top Component Info "B4" at 26.855,30.891 h0.08; Top Component Info "C1" at 25.855,30.49 h0.08; Top Component Info "E1" at 25.875,30.09 h0.08; Top Component Info "D2" at 26.196,30.29 h0.08; Top Component Info "K2" at 26.196,29.09 h0.08; Top Component Info "N1" at 25.875,28.49 h0.08; Top Component Info "R1" at 25.869,28.09 h0.08; Top Component Info "P2" at 26.196,28.29 h0.08; Top Component Info "L1" at 25.836,28.89 h0.08; Top Component Info "M2" at 26.196,28.69 h0.08; Top Component Info "G1" at 25.855,29.69 h0.08; Top Component Info "J1" at 25.855,29.29 h0.08; Top Component Info "H2" at 26.196,29.49 h0.08; Top Component Info "AB2" at 26.116,26.69 h0.08; Top Component Info "AE1" at 25.803,26.09 h0.08; Top Component Info "AC1" at 25.783,26.49 h0.08; Top Component Info "AD2" at 26.116,26.29 h0.08; Top Component Info "W1" at 25.855,27.29 h0.08; Top Component Info "AA1" at 25.79,26.89 h0.08; Top Component Info "Y2" at 26.196,27.09 h0.08; Top Component Info "U1" at 25.855,27.69 h0.08; Top Component Info "V2" at 26.196,27.49 h0.08; Top Component Info "AL3" at 26.609,24.49 h0.08; Top Component Info "AK2" at 26.416,24.916 h0.08; Top Component Info "AL5" at 27.009,24.491 h0.08; Top Component Info "AK4" at 26.816,24.891 h0.08; Top Component Info "AH2" at 26.116,25.49 h0.08; Top Component Info "AJ1" at 25.783,25.29 h0.08; Top Component Info "AG1" at 25.783,25.69 h0.08